# Altium PCB IDC_MCX_Adapter.PCBDOC (part 3 of 3) (continued)
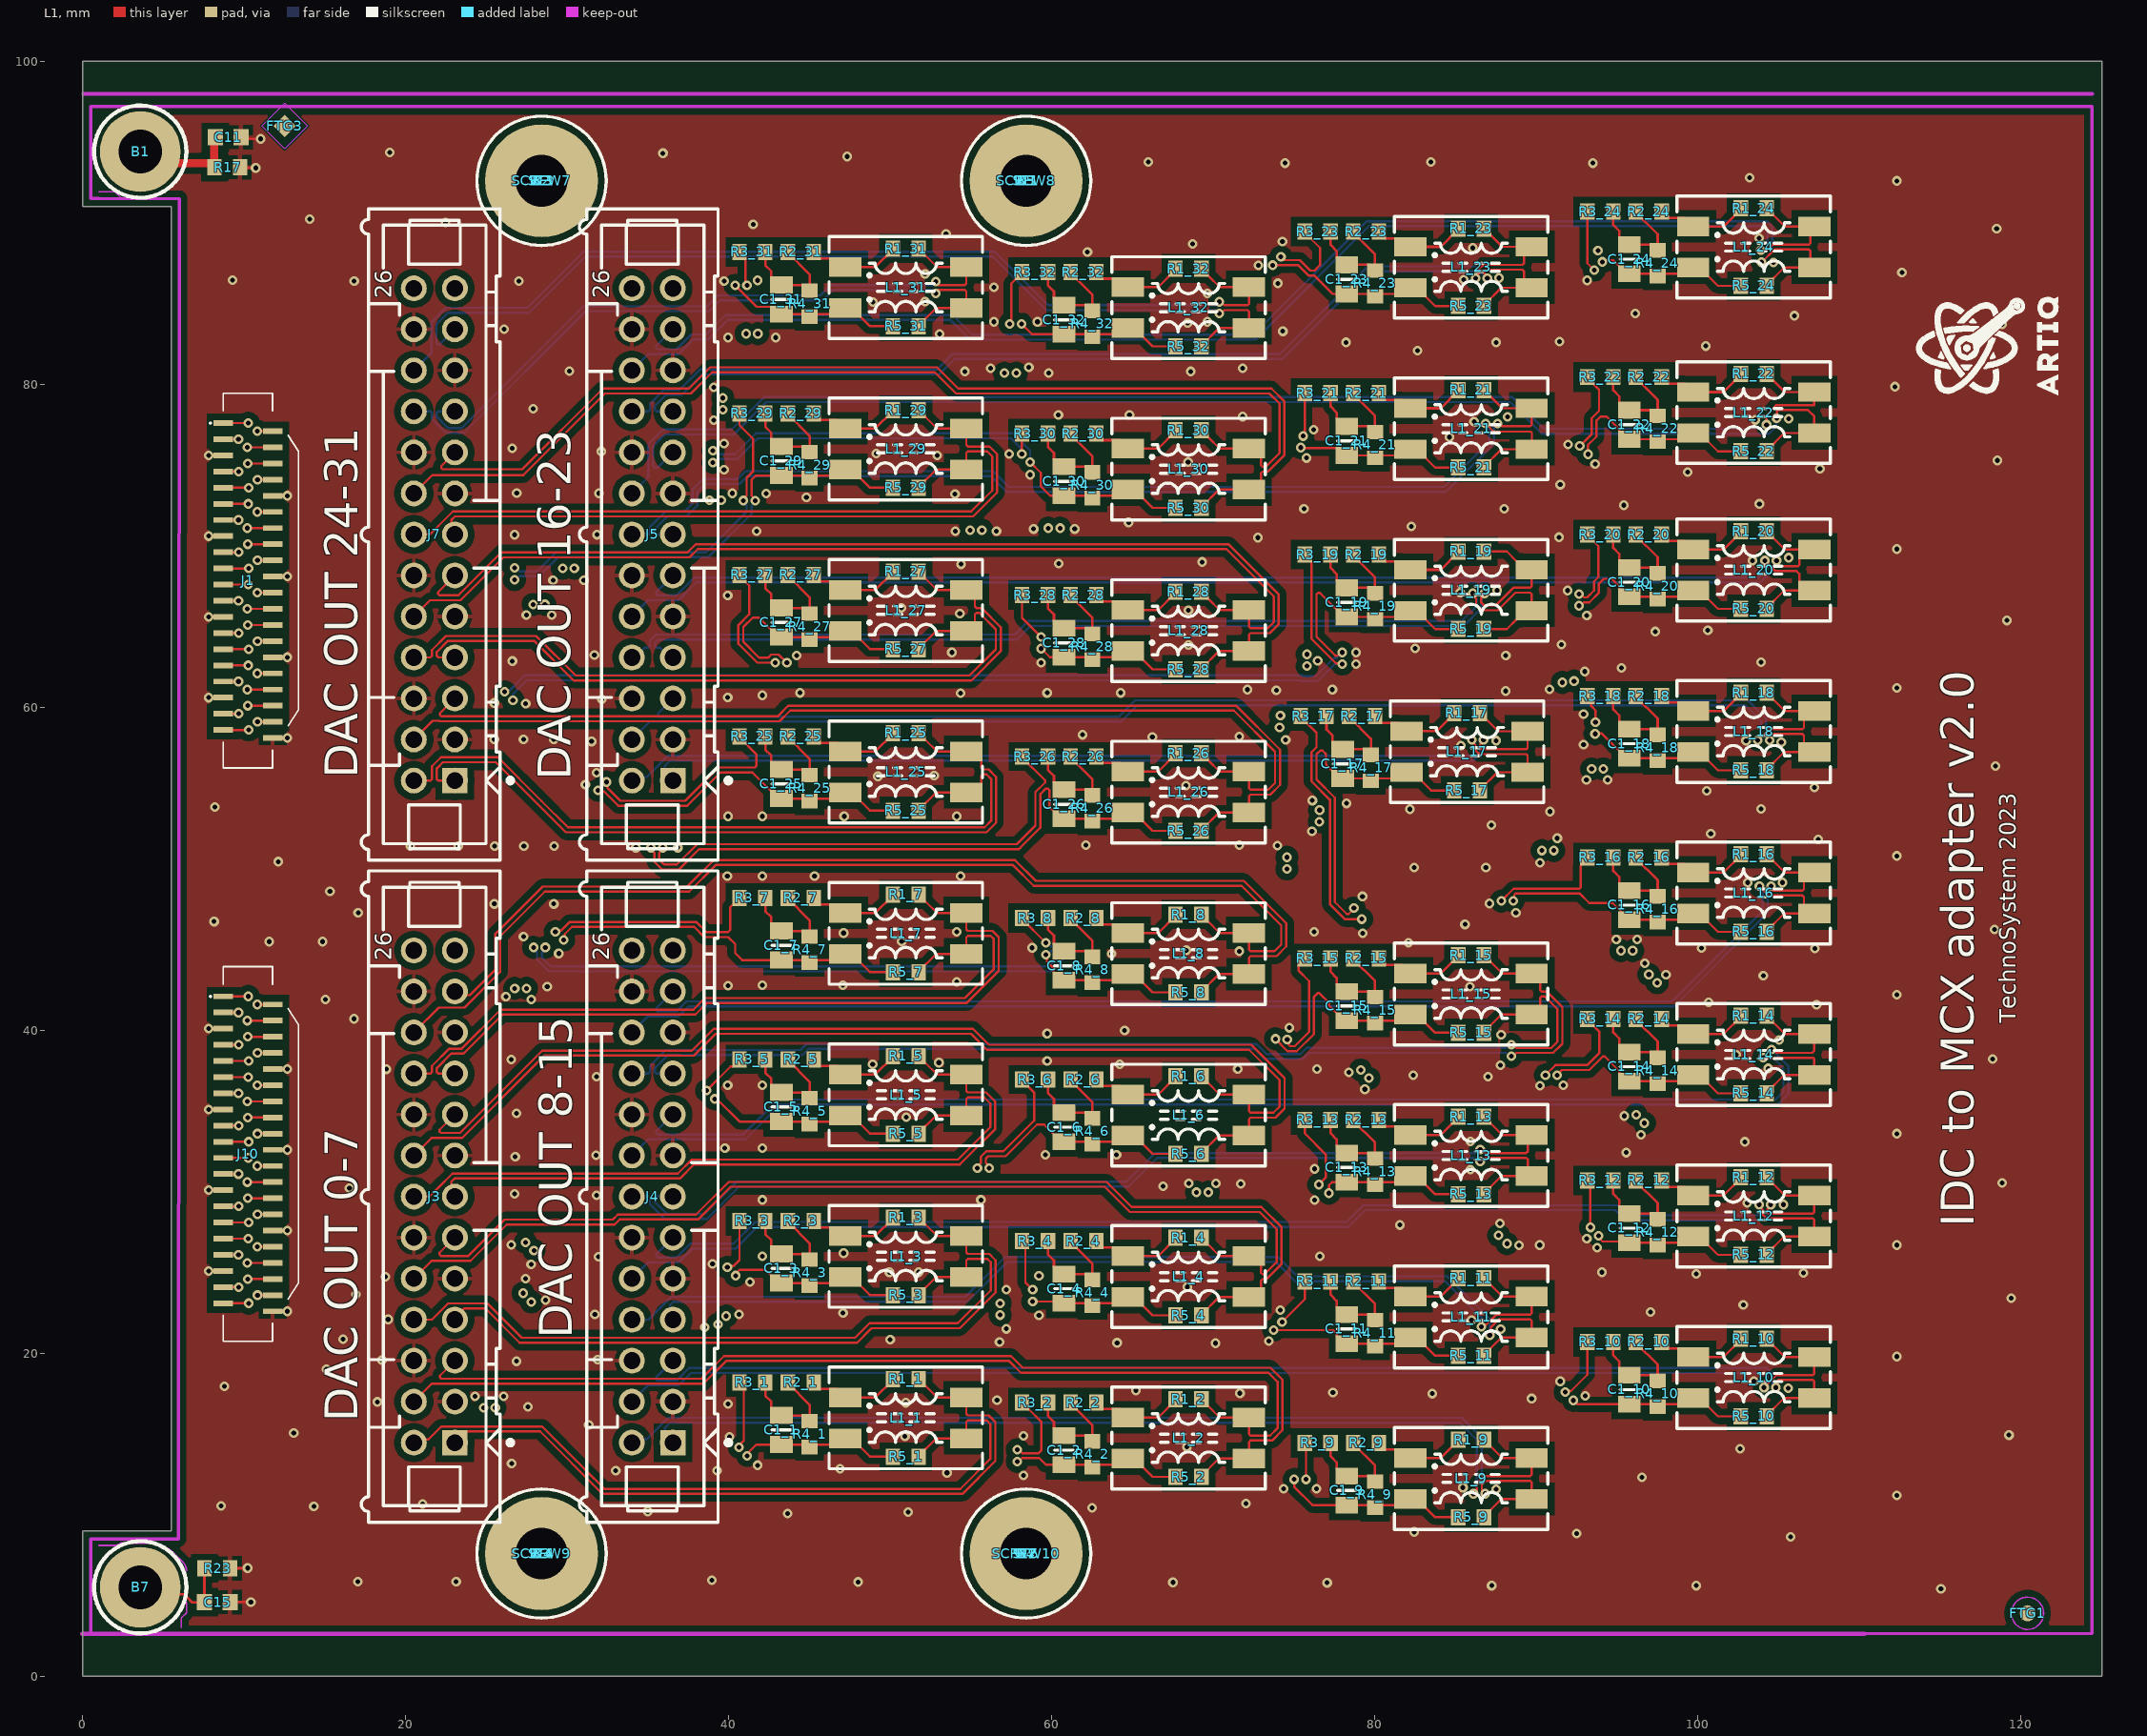
[diagram p0: L1 view]
## Nets (pads, with @x,y where several pads share a name; then routed paths per layer and width w, separated by ;. In a path a pad name is that pad's centre, name@x,y a point inside that pad or via, vN(x,y) a via of type N, cw(c..) or ccw(c..) an arc to the next point about the centre after c; other vN are vias at no path point) (continued)
  L3 w0.127: v1(39.319,21.793) 39.39,21.723 39.688,21.723 39.951,21.46 40.04,21.371 41.208,21.371 43.174,23.338 43.174,25.705 43.174,61.84 43.379,62.044 43.379,62.453 43.59,62.664 v1(43.59,62.763)
  L2 w0.127: v1(10.208,29.6) 12.126,29.6 15.646,26.08 15.646,23.139 17.817,20.968 38.977,20.968 39.37,21.361 39.37,21.742 v1(39.319,21.793)
OUT_N28: C1_28.1 J10.28 L1_28.2 R4_28.1 R5_28.1 | length 108.5
  L1 w0.137: v1(10.817,28.6) J10.28@11.75,28.6 ; v1(59.334,63.635) 59.869,63.1 C1_28.1@60.75,63.1 64.32,63.1 L1_28.2@64.7,63.48 65.1,63.48 66.23,62.35 R5_28.1@67.65,62.35
  L3 w0.127: v1(56.794,23.097) 56.894,23.097 57.105,22.885 57.379,22.885 57.724,23.23 57.724,26.431 60.6,29.307 60.6,63.528 60.282,63.846 59.563,63.846 59.352,63.635 v1(59.334,63.635)
  L2 w0.127: v1(10.817,28.6) 10.886,28.531 10.886,28.23 13.756,25.36 13.756,22.007 17.335,18.429 49.646,18.429 54.103,22.885 55.169,22.885 56.484,22.885 56.695,23.097 v1(56.794,23.097)
OUT_N29: C1_29.1 J10.31 L1_29.2 R4_29.1 R5_29.1 | length 106.5
  L1 w0.137: J10.31@8.7,27.1 v1(10.242,27.1) ; v1(41.621,72.796) 41.621,72.892 41.405,73.108 41.405,74.087 41.668,74.35 C1_29.1@43.25,74.35 46.82,74.35 L1_29.2@47.2,74.73 47.6,74.73 48.73,73.6 R5_29.1@50.15,73.6
  L3 w0.127: v1(25.535,16.637) 25.535,16.737 25.324,16.948 25.324,17.983 24.778,18.529 24.778,67.005 25.884,68.111 26.41,68.111 26.621,67.9 v1(26.721,67.9)
  L2 w0.127: v1(10.242,27.1) 10.242,26.447 11.65,25.039 11.65,20.837 16.889,15.598 24.996,15.598 25.324,15.926 25.324,16.326 25.535,16.537 v1(25.535,16.637)
  L4 w0.137: v1(26.721,67.9) 26.821,67.9 27.033,68.111 28.242,68.111 29.422,69.291 38.71,69.291 41.405,71.987 41.405,72.485 41.621,72.7 v1(41.621,72.796)
OUT_N30: C1_30.1 J10.33 L1_30.2 R4_30.1 R5_30.1 | length 111.1
  L1 w0.137: J10.33@8.7,26.1 v1(9.633,26.1) ; v1(58.647,75.178) 59.309,74.516 59.309,73.685 59.894,73.1 C1_30.1@60.75,73.1 64.32,73.1 L1_30.2@64.7,73.48 65.1,73.48 66.23,72.35 R5_30.1@67.65,72.35
  L3 w0.127: v1(9.633,26.1) 10.418,26.1 10.688,25.83 19.201,25.83 19.45,26.08 21.015,26.08 21.624,26.689 21.624,73.717 22.563,74.656 23.501,74.656 37.318,74.656 38.336,75.674 38.704,75.674 38.915,75.886 v1(39.014,75.886)
  L4 w0.137: v1(39.014,75.886) 39.115,75.886 39.326,75.674 40.379,75.674 41.668,76.964 57.589,76.964 58.293,76.26 58.647,75.906 v1(58.647,75.178)
OUT_N31: C1_31.1 J10.36 L1_31.2 R4_31.1 R5_31.1 | length 101.4
  L1 w0.137: v1(10.208,24.6) J10.36@11.75,24.6 ; v1(40.389,86.131) 41.714,84.806 42.794,84.806 C1_31.1@43.25,84.35 46.82,84.35 L1_31.2@47.2,84.73 47.6,84.73 48.73,83.6 R5_31.1@50.15,83.6
  L3 w0.127: v1(10.208,24.6) 10.208,23.956 9.861,23.61 8.923,23.61 8.42,24.113 8.42,42.074 10.923,44.577 15.803,44.577 18.263,47.036 18.263,75.694 19.765,77.196 27.799,77.196 32.905,82.303 37.879,82.303 40.6,85.024 40.6,85.821 40.389,86.032 v1(40.389,86.131)
OUT_N32: C1_32.1 J10.38 L1_32.2 R4_32.1 R5_32.1 | length 128.6
  L1 w0.137: v1(10.817,23.6) J10.38@11.75,23.6 ; v1(58.116,83.744) 58.76,83.1 C1_32.1@60.75,83.1 64.32,83.1 L1_32.2@64.7,83.48 65.1,83.48 66.23,82.35 R5_32.1@67.65,82.35
  L3 w0.127: v1(10.817,23.6) 10.882,23.535 10.882,23.226 11.063,23.045 11.063,22.112 10.414,21.463 7.443,21.463 6.783,22.123 6.694,22.212 6.694,42.667 10.827,46.8 14.746,46.8 16.57,48.624 16.57,77.901 18.405,79.736 24.441,79.736 32.894,88.189 55.742,88.189 57.316,86.616 57.905,86.026 v1@57.905,83.9
OUT_P1: J1.2 R3_1.1 | length 115.7
  L1 w0.137: v1(10.792,77.1) J1.2@11.75,77.1 ; v1(40.618,14.17) 40.618,14.282 40.919,14.584 40.919,17.931 R3_1.1@40.65,18.2
  L3 w0.127: v1(40.618,14.17) 40.688,14.241 40.987,14.241 45.949,19.202 45.949,76.15 41.272,80.827 41.272,82.823 41.061,83.034 v1(41.061,83.134)
  L2 w0.127: v1(10.792,77.1) 10.792,80.997 14.318,84.524 40.893,84.524 41.272,84.145 41.272,83.445 41.061,83.234 v1(41.061,83.134)
OUT_P2: J1.4 R3_2.1 | length 130.2
  L1 w0.137: v1(10.182,76.1) J1.4@11.75,76.1 ; v1(57.855,14.029) 57.956,14.029 58.167,13.818 59.182,13.818 59.334,13.97 59.334,15.766 58.581,16.519 58.531,16.519 58.15,16.9 R3_2.1@58.15,16.95
  L3 w0.127: v1(57.064,80.698) 57.064,80.598 57.275,80.387 57.275,79.245 56.204,78.174 56.204,73.361 57.531,72.034 57.531,29.463 55.499,27.431 55.499,19.533 58.975,16.058 58.975,14.279 58.513,13.818 58.166,13.818 57.955,14.029 v1(57.855,14.029)
  L2 w0.127: v1(10.182,76.1) 11.228,76.1 12.184,77.056 12.184,79.9 14.008,81.724 14.267,81.984 56.676,81.984 57.275,81.385 v1@57.275,80.698 ; v1(57.064,80.698) 57.249,80.698 v1@57.262,80.685
OUT_P3: J1.7 R3_3.1 | length 94.4
  L1 w0.137: J1.7@8.7,74.6 v1(9.658,74.6) ; v1(39.903,25.324) 39.975,25.395 40.273,25.395 40.65,25.772 R3_3.1@40.65,28.2
  L3 w0.127: v1(39.624,78.427) 39.724,78.427 39.935,78.638 40.692,78.638 43.002,76.328 43.002,66.675 40.756,64.429 40.756,25.878 40.273,25.394 39.974,25.394 v1(39.903,25.324)
  L2 w0.127: v1(9.658,74.6) 10.444,74.6 10.639,74.795 11.734,74.795 13.411,76.472 13.411,77.876 14.978,79.444 37.865,79.444 38.67,78.638 39.313,78.638 39.524,78.427 v1(39.624,78.427)
OUT_P4: J1.9 R3_4.1 | length 110
  L1 w0.137: J1.9@8.7,73.6 v1(10.268,73.6) ; R3_4.1@58.15,26.95 58.355,26.745 58.355,24.387 v1(58.808,23.934)
  L3 w0.127: v1(58.808,23.934) 58.908,23.934 59.119,23.723 60.35,23.723 62.691,26.064 62.691,67.561 59.985,70.267 59.985,70.784 59.774,70.995 v1(59.774,71.095)
  L2 w0.127: v1(10.268,73.6) 12.234,73.6 15.523,76.89 54.784,76.89 59.985,71.688 59.985,71.405 59.774,71.194 v1(59.774,71.095)
OUT_P5: J1.12 R3_5.1 | length 70.9
  L1 w0.137: v1(10.792,72.1) J1.12@11.75,72.1 ; v1(38.611,36.268) 40.113,37.77 40.269,37.77 40.65,38.152 R3_5.1@40.65,38.2
  L3 w0.127: v1(38.611,36.268) 38.611,36.37 38.82,36.579 v1@38.82,72.795 ; v1(38.793,72.822) v1@38.82,72.795 ; v1@38.82,72.947 v1@38.82,72.795
  L2 w0.127: v1(10.792,72.1) 16.836,72.1 19.1,74.364 38.061,74.364 39.004,73.42 39.004,73.133 38.793,72.922 v1(38.793,72.822)
OUT_P6: J1.14 R3_6.1 | length 95.3
  L1 w0.137: v1(10.182,71.1) J1.14@11.75,71.1 ; v1(55.385,31.471) 55.385,31.571 55.596,31.782 55.596,32.177 55.931,32.512 56.998,32.512 58.893,34.407 58.893,36.157 58.15,36.9 R3_6.1@58.15,36.95
  L3 w0.127: v1(54.932,70.968) 54.932,70.868 55.143,70.657 55.143,32.736 55.596,32.283 55.596,31.781 55.385,31.57 v1(55.385,31.471)
  L2 w0.127: v1(10.182,71.1) 18.351,71.1 19.075,71.824 54.872,71.824 55.143,71.552 55.143,71.278 54.932,71.067 v1(54.932,70.968)
OUT_P7: J1.17 R3_7.1 | length 58.8
  L1 w0.137: J1.17@8.7,69.6 v1(9.658,69.6) ; v1(29.255,46.107) 29.326,46.178 29.624,46.178 30.157,46.711 37.977,46.711 38.606,46.081 39.947,46.081 40.081,46.216 40.081,47.631 40.213,47.763 40.263,47.763 40.65,48.15 R3_7.1@40.65,48.2
  L3 w0.127: v1(29.255,46.107) 29.325,46.178 29.624,46.178 29.912,46.466 29.912,68.295 29.701,68.506 v1(29.701,68.605)
  L2 w0.127: v1(9.658,69.6) 10.444,69.6 10.639,69.795 18.394,69.795 18.906,69.284 29.631,69.284 29.912,69.002 29.912,68.853 29.701,68.642 v1(29.701,68.605)
OUT_P8: J1.19 R3_8.1 | length 80.8
  L1 w0.137: J1.19@8.7,68.6 v1(10.268,68.6) ; R3_8.1@58.15,46.95 58.15,46.9 59.614,45.436 v1(59.614,45.415)
  L3 w0.127: v1(27.878,66.37) 27.878,66.27 28.118,66.031 28.118,45.447 27.907,45.236 v1(27.907,45.136)
  L2 w0.127: v1(10.268,68.6) 11.011,68.6 11.206,68.795 16.727,68.795 18.779,66.744 24.325,66.744 24.544,66.963 27.92,66.963 ; v1(27.878,66.37) 27.878,66.47 28.089,66.681 28.089,66.794 27.92,66.963 ; 27.927,66.963 27.92,66.963
  L4 w0.137: v1(27.907,45.136) 27.907,45.035 28.118,44.824 28.118,44.375 28.847,43.646 59.934,43.646 60.91,44.622 60.91,44.988 60.592,45.306 60.22,45.306 60.118,45.204 59.926,45.204 59.714,45.415 v1(59.614,45.415)
OUT_P9: J1.22 R3_9.1 | length 121.3
  L1 w0.137: v1(10.792,67.1) J1.22@11.75,67.1 ; R3_9.1@75.65,14.45 75.727,14.373 v1(75.727,12.192)
  L3 w0.127: v1(75.727,12.192) 75.727,12.292 75.516,12.503 75.516,13.31 75.516,62.157 75.794,62.435 v1(75.794,62.552)
  L2 w0.127: v1(10.792,67.1) 16.086,67.1 18.982,64.204 56.888,64.204 57.664,64.979 73.366,64.979 v1(75.794,62.552)
OUT_P10: J1.24 R3_10.1 | length 133.9
  L1 w0.137: v1(10.182,66.1) J1.24@11.75,66.1 ; v1(91.773,17.599) 91.845,17.67 92.143,17.67 93.15,18.677 R3_10.1@93.15,20.7
  L3 w0.127: v1(91.598,61.542) 91.598,53.157 92.219,52.536 92.219,17.754 92.145,17.679 91.853,17.679 v1(91.773,17.599)
  L2 w0.127: v1(10.182,66.1) 14.851,66.1 19.321,61.63 22.556,61.63 22.575,61.65 36.99,61.65 37.009,61.63 79.308,61.63 79.762,62.084 91.43,62.084 91.565,61.949 91.565,61.575 v1(91.598,61.542)
OUT_P11: J1.27 R3_11.1 | length 109.8
  L1 w0.137: J1.27@8.7,64.6 v1(9.658,64.6) ; v1(74.244,21.946) 75.65,23.351 R3_11.1@75.65,24.45
  L3 w0.127: v1(74.09,58.756) 73.989,58.756 73.779,58.966 73.42,58.966 72.9,58.446 72.9,22.991 73.875,22.016 74.174,22.016 v1(74.244,21.946)
  L2 w0.127: v1(9.658,64.6) 10.444,64.6 10.639,64.795 13.971,64.795 19.642,59.124 73.723,59.124 v1(74.09,58.756)
OUT_P12: J1.29 R3_12.1 | length 120.4
  L1 w0.137: J1.29@8.7,63.6 v1(10.268,63.6) ; R3_12.1@93.15,30.7 93.335,30.515 v1(93.335,27.797)
  L3 w0.127: v1(93.335,27.797) 93.441,27.797 93.537,27.701 93.617,27.78 93.617,55.874 93.413,56.077 v1(93.413,56.185)
  L2 w0.127: v1(10.268,63.6) 11.011,63.6 11.206,63.795 13.014,63.795 15.551,61.259 17.577,59.233 17.577,58.42 19.413,56.584 93.224,56.584 93.323,56.485 93.323,56.188 93.32,56.185 v1(93.413,56.185)
OUT_P13: J1.32 R3_13.1 | length 99.7
  L1 w0.137: v1(10.792,62.1) J1.32@11.75,62.1 ; R3_13.1@75.65,34.45 75.65,33.621 76.946,32.325 76.946,30.879 v1(76.516,30.449)
  L3 w0.127: v1(76.516,30.449) 76.644,30.449 76.796,30.601 76.804,30.601 76.962,30.759 76.962,30.775 76.975,30.787 76.975,51.329 77.419,51.774 77.419,52.694 77.129,52.984 76.632,52.984 v1(76.556,52.908)
  L2 w0.127: v1(10.792,62.1) 12.551,62.1 15.094,59.557 15.926,58.725 15.926,57.506 19.494,53.938 74.733,53.938 75.552,53.119 76.245,53.119 76.456,52.908 v1(76.556,52.908)
OUT_P14: J1.34 R3_14.1 | length 107.4
  L1 w0.137: v1(10.182,61.1) J1.34@11.75,61.1 ; v1(90.551,37.228) 90.556,37.228 91.174,37.846 93.137,37.846 93.893,38.602 93.893,39.907 93.15,40.65 R3_14.1@93.15,40.7
  L3 w0.127: v1(90.34,51.13) 90.34,51.03 90.763,50.608 90.763,37.511 90.551,37.3 v1(90.551,37.228)
  L2 w0.127: v1(10.182,61.1) 11.582,61.1 14.046,58.636 14.046,56.846 18.644,52.248 74.49,52.248 75.291,51.447 90.069,51.447 90.34,51.175 v1(90.34,51.13)
OUT_P15: J1.37 R3_15.1 | length 89.9
  L1 w0.137: J1.37@8.7,59.6 v1(9.658,59.6) ; v1(74.565,39.426) 74.653,39.338 74.653,39.116 74.755,39.015 75.033,39.015 75.92,39.902 75.92,43.049 75.263,43.706 75.263,43.938 75.269,43.943 75.269,44.069 R3_15.1@75.65,44.45
  L3 w0.127: v1(74.549,49.987) 74.488,50.048 74.092,50.048 74.017,49.973 74.017,40.073 74.565,39.526 v1(74.565,39.426)
  L2 w0.127: v1(9.658,59.6) 10.444,59.6 10.639,59.795 11.122,59.795 11.646,59.272 11.646,56.656 18.01,50.291 74.185,50.291 74.489,49.987 v1(74.549,49.987)
OUT_P16: J1.39 R3_16.1 | length 93.7
  L1 w0.137: J1.39@8.7,58.6 v1(10.268,58.6) ; v1(87.825,48.006) 87.825,48.023 88.57,48.768 92.655,48.768 92.735,48.848 92.735,50.188 92.769,50.221 92.769,50.319 R3_16.1@93.15,50.7
  L2 w0.127: v1@10.293,58.6 10.293,58.508 10.512,58.289 10.512,55.325 17.31,48.528 76.112,48.528 76.758,49.174 87.287,49.174 88.036,48.425 88.036,48.317 87.825,48.106 v1(87.825,48.006)
OUT_P17: J10.2 R3_17.1 | length 86.5
  L1 w0.137: v1(10.792,41.6) J10.2@11.75,41.6 ; R3_17.1@75.4,59.45 75.4,59.4 76.378,58.422 76.378,57.525 76.073,57.22 76.073,55.415 77.21,54.278 77.21,47.809 78.124,46.895 78.157,46.895 78.17,46.882 v1(79.178,46.882)
  L2 w0.127: v1(10.792,41.6) 10.907,41.6 11.103,41.795 13.652,41.795 18.739,46.882 v1(79.178,46.882)
OUT_P18: J10.4 R3_18.1 | length 106.4
  L1 w0.137: v1(10.182,40.6) J10.4@11.75,40.6 ; R3_18.1@93.15,60.7 93.392,60.458 93.392,60.075 93.652,59.815 v1(93.652,59.081)
  L3 w0.127: v1(93.652,59.081) 93.652,59.043 93.886,58.809 94.122,58.809 95.742,57.189 95.742,45.069 95.878,44.933 v1(95.953,44.933)
  L2 w0.127: v1(10.182,40.6) 15.428,40.6 18.44,43.612 94.967,43.612 95.742,44.387 95.742,44.622 95.953,44.833 v1(95.953,44.933)
OUT_P19: J10.7 R3_19.1 | length 99.3
  L1 w0.137: J10.7@8.7,39.1 v1(9.658,39.1) ; R3_19.1@75.65,69.45 75.65,69.4 76.071,68.979 76.071,64.246 77.591,62.727 77.925,62.727 v1(77.978,62.673)
  L3 w0.127: v1(26.629,60.442) 26.629,60.341 26.42,60.132 26.42,44.294 27.257,43.457 27.257,42.907 27.468,42.696 v1(27.468,42.596)
  L2 w0.127: v1(9.658,39.1) 10.444,39.1 10.639,39.295 16.994,39.295 18.682,40.984 26.215,40.984 27.257,42.025 27.257,42.314 27.468,42.525 v1(27.468,42.596)
  L4 w0.137: v1@26.553,60.442 26.619,60.509 26.619,60.808 27.483,61.671 75.363,61.671 75.409,61.625 76.456,61.625 77.521,62.69 77.962,62.69 v1(77.978,62.673)
OUT_P20: J10.9 R3_20.1 | length 123
  L1 w0.137: J10.9@8.7,38.1 v1(10.268,38.1) ; v1(92.634,67.016) 92.734,67.016 92.946,66.805 93.138,66.805 93.562,67.228 93.562,67.79 93.828,68.056 93.828,69.972 93.15,70.65 R3_20.1@93.15,70.7
  L3 w0.127: v1(92.634,67.016) 92.734,67.016 92.945,66.805 93.545,66.805 97.511,62.84 97.511,42.984 v1(97.469,42.942)
  L2 w0.127: v1(10.268,38.1) 11.011,38.1 11.206,38.295 18.355,38.295 18.504,38.444 23.838,38.444 24.589,39.195 31.551,39.195 32.302,38.444 38.215,38.444 40.456,40.684 94.913,40.684 97.1,42.871 97.398,42.871 v1(97.469,42.942)
OUT_P21: J10.12 R3_21.1 | length 116.4
  L1 w0.137: v1(10.792,36.6) J10.12@11.75,36.6 ; v1(75.549,76.797) 75.65,76.898 R3_21.1@75.65,79.45
  L3 w0.127: v1(75.549,76.797) 75.549,76.734 75.678,76.605 76.126,76.605 76.6,76.131 76.6,74.531 78.5,72.631 80.305,70.826 80.305,38.005 79.626,37.326 79.626,37.036 v1(79.63,37.032)
  L2 w0.127: v1(10.792,36.6) 18.112,36.6 18.808,35.904 37.096,35.904 38.168,34.832 43.763,34.832 45.517,36.586 78.886,36.586 79.139,36.839 79.261,36.961 79.56,36.961 v1(79.63,37.032)
OUT_P22: J10.14 R3_22.1 | length 141.4
  L1 w0.137: v1(10.182,35.6) J10.14@11.75,35.6 ; v1(92.675,76.184) 92.696,76.184 93.407,76.895 93.407,77.884 93.873,78.35 93.873,79.677 93.15,80.4 R3_22.1@93.15,80.45
  L3 w0.127: v1(92.675,76.184) 92.683,76.176 94.755,76.176 95.6,75.331 99.314,71.617 99.314,37.183 96.754,34.623 96.754,34.324 v1(96.683,34.254)
  L2 w0.127: v1(10.182,35.6) 16.8,35.6 19.036,33.364 51.571,33.364 52.002,33.795 95.926,33.795 96.314,34.183 96.613,34.183 v1(96.683,34.254)
OUT_P23: J10.17 R3_23.1 | length 130.1
  L1 w0.137: J10.17@8.7,34.1 v1(9.658,34.1) ; v1(74.178,87.894) 74.253,87.818 74.253,87.695 75.351,87.695 76,87.046 76.256,87.046 76.601,87.391 76.601,88.449 75.65,89.4 R3_23.1@75.65,89.45
  L3 w0.127: v1(69.68,29.972) 69.68,30.072 69.469,30.283 69.469,30.638 70.634,31.803 70.634,81.134 75.105,85.605 75.105,86.926 74.178,87.853 v1(74.178,87.894)
  L2 w0.127: v1(9.658,34.1) 10.444,34.1 10.639,34.295 15.769,34.295 19.24,30.824 37.909,30.824 38.329,30.404 64.593,30.404 66.123,28.873 68.928,28.873 69.485,29.43 69.485,29.661 69.68,29.857 v1(69.68,29.972)
OUT_P24: J10.19 R3_24.1 | length 149.2
  L1 w0.137: J10.19@8.7,33.1 v1(10.268,33.1) ; R3_24.1@93.15,90.7 93.15,87.495 v1(93.574,87.071)
  L3 w0.127: v1(88.169,26.791) 88.24,26.861 88.24,27.16 89.705,28.625 89.705,83.99 92.995,87.28 93.263,87.28 93.472,87.071 v1(93.574,87.071)
  L2 w0.127: v1(10.268,33.1) 11.011,33.1 11.206,33.295 14.533,33.295 19.558,28.27 54.281,28.27 55.76,26.791 v1(88.169,26.791)
OUT_P25: J10.22 R3_25.1 | length 64.7
  L1 w0.137: v1(10.792,31.6) J10.22@11.75,31.6 ; v1(32.413,55.374) 32.484,55.303 32.484,55.004 33.274,54.214 37.298,54.214 39.354,56.271 41.606,56.271 41.695,56.36 41.695,57.105 40.65,58.15 R3_25.1@40.65,58.2
  L3 w0.127: v1(27.929,26.368) 28,26.439 28,26.737 28.568,27.305 28.568,40.868 32.228,44.528 32.228,54.495 32.413,54.68 v1(32.413,55.374)
  L2 w0.127: v1(10.792,31.6) 11.181,31.6 13.664,31.6 19.52,25.744 27.007,25.744 27.56,26.297 27.859,26.297 v1(27.929,26.368)
OUT_P26: J10.24 R3_26.1 | length 84.9
  L1 w0.137: v1(10.182,30.6) J10.24@11.75,30.6 ; v1(35.898,51.308) 35.898,51.207 35.687,50.996 35.687,50.571 35.941,50.317 35.992,50.267 36.779,50.267 38.041,51.529 57.828,51.529 58.977,52.678 58.977,54.755 59.573,55.351 59.573,55.477 58.15,56.9 R3_26.1@58.15,56.95
  L3 w0.127: v1(27.768,23.175) 27.83,23.237 27.83,23.553 30.305,26.027 30.305,40.005 32.919,42.619 32.919,45.425 35.687,48.193 35.687,50.997 35.898,51.208 v1(35.898,51.308)
  L2 w0.127: v1(10.182,30.6) 12.759,30.6 17.221,26.137 17.221,24.69 18.693,23.218 27.726,23.218 v1(27.768,23.175)
OUT_P27: J10.27 R3_27.1 | length 89
  L1 w0.137: J10.27@8.7,29.1 v1(9.658,29.1) ; R3_27.1@40.65,68.2 40.65,68.15 41.256,67.544 41.256,65.766 40.589,65.099 40.589,63.933 41.758,62.763 v1(42.863,62.763)
  L3 w0.127: v1(39.833,22.307) 39.904,22.237 39.904,21.938 40.166,21.676 41.081,21.676 42.87,23.464 42.87,25.705 42.87,61.966 43.074,62.17 43.074,62.453 42.863,62.664 v1(42.863,62.763)
  L2 w0.127: v1(9.658,29.1) 10.444,29.1 10.639,29.295 12,29.295 15.342,25.953 15.342,23.013 17.691,20.664 39.103,20.664 39.833,21.394 v1(39.833,22.307)
OUT_P28: J10.29 R3_28.1 | length 104.3
  L1 w0.137: J10.29@8.7,28.1 v1(10.268,28.1) ; R3_28.1@58.15,66.95 58.15,65.546 v1(59.334,64.362)
  L3 w0.127: v1(56.794,22.37) 56.894,22.37 57.105,22.581 57.506,22.581 58.029,23.104 58.029,26.305 60.905,29.181 60.905,29.307 60.905,63.655 60.409,64.151 59.563,64.151 59.352,64.362 v1(59.334,64.362)
  L2 w0.127: v1(10.268,28.1) 10.329,28.039 10.646,28.039 13.451,25.234 13.451,21.881 17.208,18.124 17.335,18.124 49.772,18.124 54.229,22.581 55.169,22.581 56.484,22.581 56.695,22.37 v1(56.794,22.37)
OUT_P29: J10.32 R3_29.1 | length 99.4
  L1 w0.137: v1(10.792,26.6) J10.32@11.75,26.6 ; R3_29.1@40.65,78.2 40.65,77.473 41.504,76.619 41.504,74.616 41.1,74.213 41.1,73.118 ; v1(40.885,72.806) 40.885,72.902 41.1,73.118 ; 41.1,73.108 41.1,73.118
  L3 w0.127: v1(24.808,16.637) 24.808,16.737 25.019,16.948 25.019,17.857 24.473,18.403 24.473,67.131 25.758,68.416 26.41,68.416 26.621,68.627 v1(26.721,68.627)
  L2 w0.127: v1(10.792,26.6) 10.876,26.516 10.876,26.244 11.955,25.165 11.955,20.963 17.016,15.903 24.87,15.903 25.019,16.052 25.019,16.326 24.808,16.537 v1(24.808,16.637)
  L4 w0.137: v1(26.721,68.627) 26.821,68.627 27.033,68.416 28.116,68.416 29.296,69.596 38.583,69.596 41.1,72.113 41.1,72.494 40.885,72.71 v1(40.885,72.806)
OUT_P30: J10.34 R3_30.1 | length 100.3
  L1 w0.137: v1(10.182,25.6) J10.34@11.75,25.6 ; v1(58.133,75.692) 58.133,76.933 R3_30.1@58.15,76.95
  L3 w0.127: v1(10.182,25.6) 10.249,25.533 10.555,25.533 10.562,25.526 19.327,25.526 19.577,25.775 21.141,25.775 21.929,26.562 21.929,73.591 22.689,74.351 23.627,74.351 37.444,74.351 38.463,75.37 38.704,75.37 38.915,75.159 v1(39.014,75.159)
  L4 w0.137: v1(39.014,75.159) 39.115,75.159 39.326,75.37 40.505,75.37 41.794,76.659 57.463,76.659 57.988,76.134 58.061,76.061 58.061,75.764 v1(58.133,75.692)
OUT_P31: J10.37 R3_31.1 | length 90.2
  L1 w0.137: J10.37@8.7,24.1 v1(9.658,24.1) ; R3_31.1@40.65,88.2 41.031,87.819 41.031,86.216 v1(41.116,86.131)
  L3 w0.127: v1(9.658,24.1) 9.533,24.1 9.347,23.914 9.049,23.914 8.725,24.239 8.725,41.948 11.049,44.272 15.929,44.272 18.567,46.91 18.567,75.567 19.891,76.891 27.925,76.891 33.031,81.998 38.005,81.998 40.905,84.898 40.905,85.821 41.116,86.032 v1(41.116,86.131)
OUT_P32: J10.39 R3_32.1 | length 120.1
  L1 w0.137: J10.39@8.7,23.1 v1(10.268,23.1) ; v1(57.389,83.744) 57.389,83.77 57.489,83.87 57.489,86.239 58.15,86.9 R3_32.1@58.15,86.95
  L3 w0.127: v1(10.268,23.1) 10.333,23.035 10.642,23.035 10.758,22.919 10.758,22.238 10.288,21.768 7.569,21.768 6.998,22.339 6.998,42.541 10.953,46.495 14.872,46.495 16.875,48.498 16.875,77.775 18.531,79.431 24.567,79.431 33.02,87.884 55.616,87.884 57.208,86.292 57.6,85.9 v1@57.6,83.9
P13V0_SCSIa: J3.25 J9.25
P13V0_SCSIb: J4.25 J6.25
P13V0_SCSIc: J2.25 J5.25
P13V0_SCSId: J7.25 J8.25
pads on no net: B2.1 B3.1 B4.1 B5.1 FTG1.FTG2 FTG2.1 FTG3.1 FTG4.1

## Polygon pours and split planes (outlines as drawn)
GND on L4 "NONET_L-01_P-001" (solid, remove dead copper, pour order 122): 0,2.789 125.02,2.789 125.02,99.289 124.92,99.389 0,99.389
GND on L1 "NONET_L-01_P-001" (solid, remove dead copper, pour order 121): 0,2.8 125,2.8 125,99.3 124.9,99.4 0,99.4
GND on L3 "L3-GND" (solid, remove dead copper, pour order 134): 0.254,2.789 125.274,2.789 125.274,99.289 125.174,99.389 0.254,99.389
GND on L2 "L2-GND" (solid, remove dead copper, pour order 133): 0,2.789 125.02,2.789 125.02,99.289 124.92,99.389 0,99.389
GND on GND2 (split plane): 124.49,0.51 0.51,0.51 0.51,8.49 5.486,8.49 5.586,8.499 5.682,8.528 5.77,8.576 5.847,8.639 5.911,8.716 5.958,8.805 5.987,8.9 5.997,9 5.997,91 5.987,91.1 5.958,91.195 5.911,91.284 5.847,91.361 5.77,91.424 5.682,91.472 5.586,91.501 5.486,91.51 0.51,91.51 0.51,99.489 124.49,99.489
GND on GND1 (split plane): 124.49,0.51 0.51,0.51 0.51,8.49 5.486,8.49 5.586,8.499 5.682,8.528 5.77,8.576 5.847,8.639 5.911,8.716 5.958,8.805 5.987,8.9 5.997,9 5.997,91 5.987,91.1 5.958,91.195 5.911,91.284 5.847,91.361 5.77,91.424 5.682,91.472 5.586,91.501 5.486,91.51 0.51,91.51 0.51,99.489 124.49,99.489

## Keep-outs
L1:
  lines w0.1: 1,8.103 1.996,8.103 ccw(c1.996,8.61) 2.355,8.251 cw(c2.357,8.249) 2.357,8.252 4.09,8.252 cw(c4.09,6.025) 5.665,7.6 6.187,7.078 cw(c5.64,6.531) 6.413,6.531 ; 1,91.923 2,91.923 2.423,91.5 5.389,91.5 ; 6.096,3.023 6.096,3.614 6.413,3.931 6.413,4.581
  lines w0.254: -0.032,2.623 110.316,2.623 ; 0.051,97.993 124.4,97.993
L4:
  lines w0.1: 1,8.103 2.35,8.103 2.538,8.29 4.975,8.29 6.413,6.852 6.413,4.256 6.096,3.939 6.096,3.023 ; 1,91.923 2,91.923 2.423,91.5 5.32,91.5
  lines w0.254: -0.025,2.489 122.2,2.5
KeepOutLayer:
  lines w0.203: 0.498,7.997 0.498,8.5 5.916,8.502 5.969,91.498 0.998,91.502 0.5,91.502 0.503,97.2 124.4,97.2 124.4,2.657 1.403,2.598 0.5,2.598 0.498,7.997

## Silkscreen, mask and mechanical layers (free items; w line width, h text height)
TopOverlay:
  drawing of 1239 lines, arcs and shapes, not listed
  text "DAC OUT 24-31" at 17.018,55.626 h2.03 r90
  text "DAC OUT 16-23" at 30.2,55.5 h2.03 r90
  text "TechnoSystem 2023" at 119.659,40.439 h1.02 r90
  text "IDC to MCX adapter v2.0" at 117.07,27.825 h2.03 r90
  text "DAC OUT 8-15" at 30.289,20.925 h2.03 r90
  text "DAC OUT 0-7" at 17.018,15.748 h2.03 r90
Mechanical1:
  drawing of 321 lines, arcs and shapes, not listed
  text "Layer" at 140.398,79.807 h1.52
  text "Name" at 150.81,79.807 h1.52
  text "Material" at 184.582,79.807 h1.52
  text "Thickness" at 206.42,79.807 h1.52
  text "Constant" at 222.926,79.807 h1.52
  text "Rigid" at 237.4,79.807 h1.52
  text "TopOverlay" at 150.81,76.759 h1.52
  text "BottomSolder" at 150.81,73.711 h1.52
  text "Solder Resist" at 184.582,73.711 h1.52
  text "0.39mil" at 206.42,73.711 h1.52
  text "3.5" at 222.926,73.711 h1.52
  text "Top Surface Finish" at 150.81,70.663 h1.52
  text "Nickel, Gold" at 184.582,70.663 h1.52
  text "0.16mil" at 206.42,70.663 h1.52
  text "1" at 140.398,67.615 h1.52
  text "L1" at 150.81,67.615 h1.52
  text "1.85mil" at 206.42,67.615 h1.52
  text "Dielectric 1" at 150.81,64.567 h1.52
  text "PP-015" at 184.582,64.567 h1.52
  text "4.40mil" at 206.42,64.567 h1.52
  text "4.3" at 222.926,64.567 h1.52
  text "2" at 140.398,61.519 h1.52
  text "GND1" at 150.81,61.519 h1.52
  text "CF-003" at 184.582,61.519 h1.52
  text "0.71mil" at 206.42,61.519 h1.52
  text "Dielectric1" at 150.81,58.471 h1.52
  text "PP-013" at 184.582,58.471 h1.52
  text "3.80mil" at 206.42,58.471 h1.52
  text "4.3" at 222.926,58.471 h1.52
  text "3" at 140.398,55.423 h1.52
  text "L2" at 150.81,55.423 h1.52
  text "0.69mil" at 206.42,55.423 h1.52
  text "Dielectric 5" at 150.81,52.375 h1.52
  text "PP-015" at 184.582,52.375 h1.52
  text "4.40mil" at 206.42,52.375 h1.52
  text "4.3" at 222.926,52.375 h1.52
  text "Dielectric 3" at 150.81,49.327 h1.52
  text "Core-039" at 184.582,49.327 h1.52
  text "28.00mil" at 206.42,49.327 h1.52
  text "4.8" at 222.926,49.327 h1.52
  text "Dielectric 4" at 150.81,46.279 h1.52
  text "PP-015" at 184.582,46.279 h1.52
  text "4.40mil" at 206.42,46.279 h1.52
  text "4.3" at 222.926,46.279 h1.52
  text "4" at 140.398,43.231 h1.52
  text "L3" at 150.81,43.231 h1.52
  text "0.69mil" at 206.42,43.231 h1.52
  text "Dielectric 2" at 150.81,40.183 h1.52
  text "PP-013" at 184.582,40.183 h1.52
  text "3.80mil" at 206.42,40.183 h1.52
  text "4.3" at 222.926,40.183 h1.52
  text "5" at 140.398,37.135 h1.52
  text "GND2" at 150.81,37.135 h1.52
  text "CF-003" at 184.582,37.135 h1.52
  text "0.71mil" at 206.42,37.135 h1.52
  text "Dielectric5" at 150.81,34.087 h1.52
  text "PP-015" at 184.582,34.087 h1.52
  text "4.40mil" at 206.42,34.087 h1.52
  text "4.3" at 222.926,34.087 h1.52
  text "6" at 140.398,31.039 h1.52
  text "L4" at 150.81,31.039 h1.52
  text "1.85mil" at 206.42,31.039 h1.52
  text "Bottom Surface Finish" at 150.81,27.991 h1.52
  text "Nickel, Gold" at 184.582,27.991 h1.52
  text "0.16mil" at 206.42,27.991 h1.52
  text "TopSolder" at 150.81,24.943 h1.52
  text "Solder Resist" at 184.582,24.943 h1.52
  text "0.39mil" at 206.42,24.943 h1.52
  text "3.5" at 222.926,24.943 h1.52
  text "BottomOverlay" at 150.81,21.895 h1.52
Mechanical4:
  lines w1: 41.263,5.031 41.263,95.031 116.263,95.031 116.263,5.031 41.263,5.031
Mechanical8:
  lines w0.2: 92.741,21.359 102.737,21.359

## Text inside footprints (layer, text, board x,y; h text height)
J3: TopOverlay "26" at 19.095,44.311 h1.02 r90; Mechanical14 "26" at 19.095,44.311 h1.02 r90
J4: TopOverlay "26" at 32.595,44.311 h1.02 r90; Mechanical14 "26" at 32.595,44.311 h1.02 r90
J5: TopOverlay "26" at 32.595,85.311 h1.02 r90; Mechanical14 "26" at 32.595,85.311 h1.02 r90
J7: TopOverlay "26" at 19.095,85.311 h1.02 r90; Mechanical14 "26" at 19.095,85.311 h1.02 r90